# Altium PCB 电解模块主控板SC_V1.1_ZM_20211015.PcbDoc (part 3 of 3) (continued)
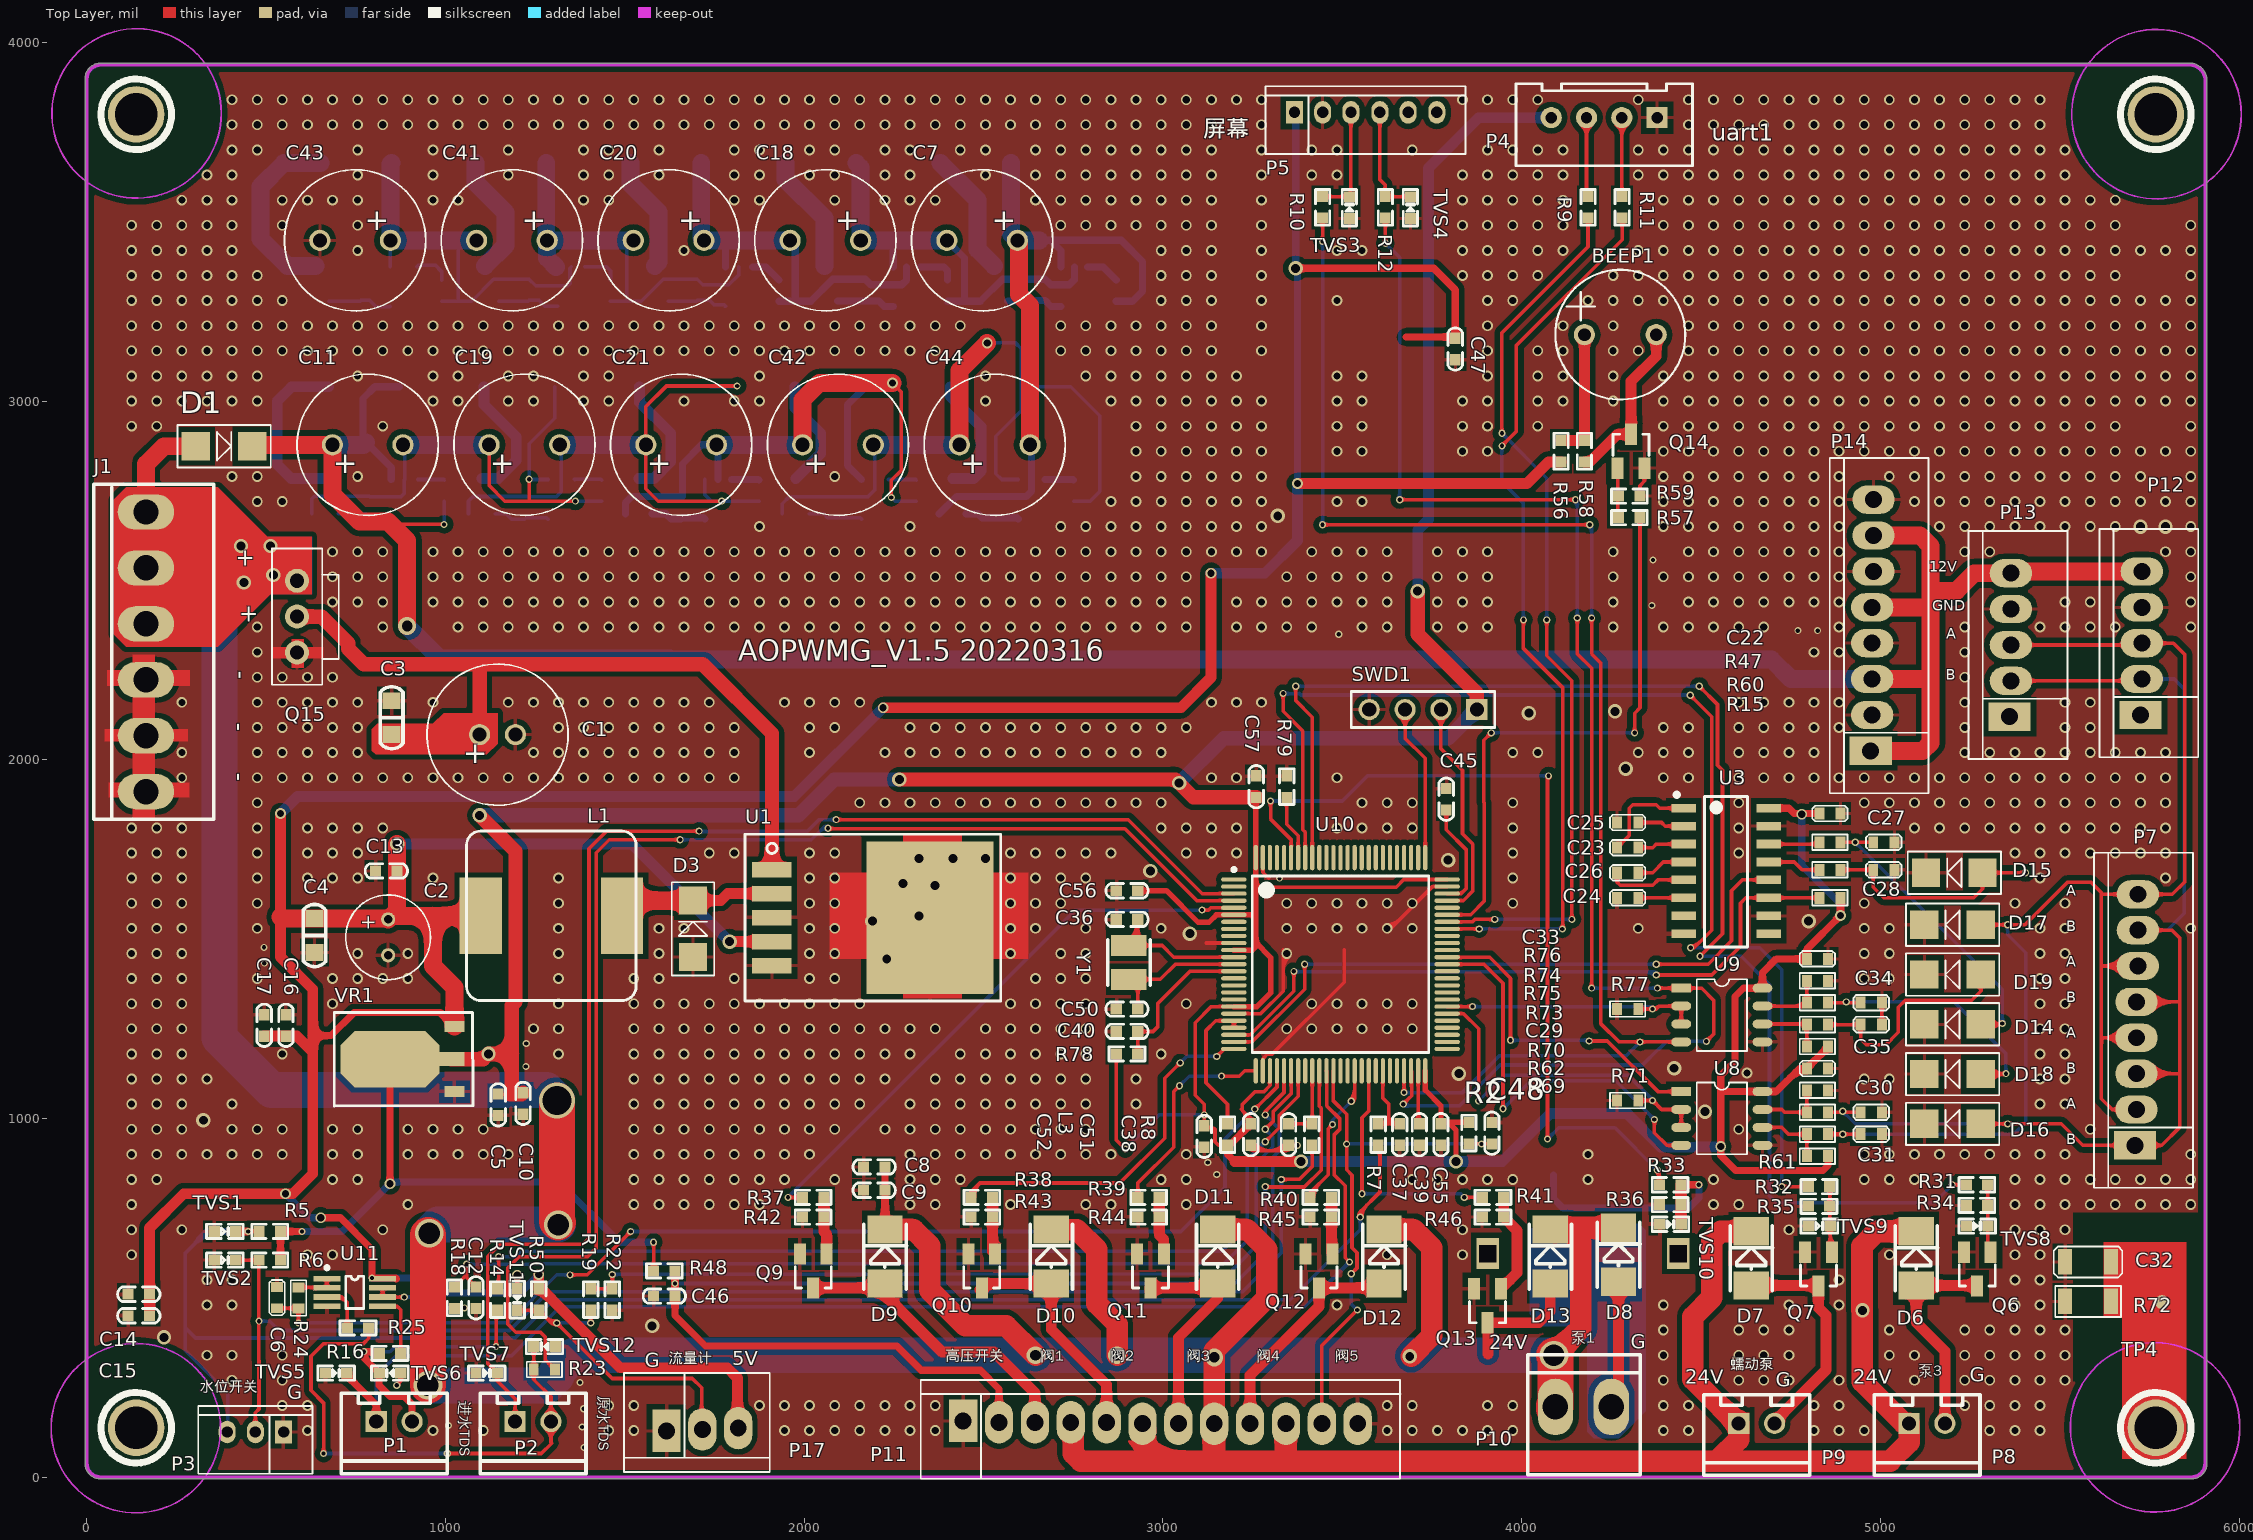
[diagram p0: Top Layer view]
## Nets (pads, with @x,y where several pads share a name; then routed paths per layer and width w, separated by ;. In a path a pad name is that pad's centre, name@x,y a point inside that pad or via, vN(x,y) a via of type N, cw(c..) or ccw(c..) an arc to the next point about the centre after c; other vN are vias at no path point) (continued)
  Bottom Layer w10: v2(3370,2205) v2(4495,2205) ; v2@3373.54,2201.46 cw(c3382.07,2192.93) 3382.07,2205 cw(c3382.07,2217.07) v2@3373.54,2208.54 ; v2@4491.46,2201.46 ccw(c4482.93,2192.93) 4482.93,2205 ccw(c4482.93,2217.07) v2@4491.46,2208.54 ; v2(4497,1452) 4612,1452 4691,1373 4691,784 4710,765 5150,765 v2(5200,815) ; v2@4500.54,1448.46 cw(c4509.07,1439.93) 4509.07,1452 cw(c4509.07,1464.07) v2@4500.54,1455.54 ; v2@5195,815 cw(c5182.93,815) 5191.46,806.46 cw(c5200,797.93) v2@5200,810
NetR32_2: R32.2 U10.93 | length 3530.9
  Top Layer w10: v2@3331.46,2181.46 cw(c3322.93,2172.93) 3335,2172.93 cw(c3347.07,2172.93) v2@3338.54,2181.46 ; v2(3335,2185) 3335,2135 3390,2080 3390,1805 3396.57,1798.43 U10.93@3396.57,1727.24 ; v2@4470,2175 cw(c4470,2162.93) 4478.54,2171.46 cw(c4487.07,2180) v2@4475,2180 ; v2(4470,2180) 4530,2120 4530,1525 4481,1476 v2(4471,1476) ; v2@4471,1481 ccw(c4471,1517.21) 4496.61,1491.61 ; v2(4725,810) R32.2@4799,810 ; v2@4728.54,806.46 cw(c4737.07,797.93) 4737.07,810 cw(c4737.07,822.07) v2@4728.54,813.54 ; R32.2@4791.18,802.93 ccw(c4774.11,785.86) 4774.11,810 ccw(c4774.11,834.14) R32.2@4791.18,817.07
  Bottom Layer w10: v2(3335,2185) 3336,2184 3378.7,2184 3379.7,2185 3384.17,2180.53 4469.47,2180.53 v2(4470,2180) ; v2@3338.54,2188.54 ccw(c3349.49,2199.49) 3349.49,2184 ; 4456.66,2180.53 cw(c4456.66,2166.66) v2@4466.46,2176.46 ; 4459.2,2180.53 ccw(c4459.2,2190.8) v2@4466.46,2183.54 ; v2(4471,1476) 4664,1476 4725,1415 v2(4725,810) ; v2@4474.54,1472.46 cw(c4483.07,1463.93) 4483.07,1476 cw(c4483.07,1488.07) v2@4474.54,1479.54 ; v2@4721.46,813.54 ccw(c4712.93,822.07) 4725,822.07 ccw(c4737.07,822.07) v2@4728.54,813.54
NetR33_2: R33.2 U10.95 | length 2614.9
  Top Layer w10: v2@3296.46,1881.46 cw(c3287.93,1872.93) 3300,1872.93 cw(c3312.07,1872.93) v2@3303.54,1881.46 ; v2(3300,1885) 3300,1835 3357.2,1777.8 U10.95@3357.2,1727.24 ; v2@4068.46,946.54 ccw(c4059.93,955.07) 4072,955.07 ccw(c4084.07,955.07) v2@4075.54,946.54 ; v2(4072,943) 4072,1952 v2(4075,1955) ; 4072,1935.69 cw(c4094.31,1935.69) v2@4078.54,1951.46 ; v2@4374.46,852.46 cw(c4351.44,829.44) R33.2@4384,829.44 ; R33.2@4376.93,822.07 ccw(c4359.86,839.14) 4384,839.14 ccw(c4408.14,839.14) R33.2@4391.07,822.07 ; v2@4377.35,851.04 cw(c4376.36,843.47) 4384,843.47 ; v2@4378,851 4384,845 R33.2@4384,815
  Bottom Layer w10: v2(3300,1885) 3500,1885 3570,1955 v2(4075,1955) ; v2@3303.54,1881.46 cw(c3312.07,1872.93) 3312.07,1885 cw(c3312.07,1897.07) v2@3303.54,1888.54 ; v2@4071.46,1951.46 ccw(c4062.93,1942.93) 4062.93,1955 ccw(c4062.93,1967.07) v2@4071.46,1958.54 ; v2(4072,943) 4103,974 4260,974 v2(4378,856) ; v2@4072,948 ccw(c4072,960.07) 4080.54,951.54 ccw(c4089.07,943) v2@4077,943 ; v2@4373,856 ccw(c4360.93,856) 4369.46,864.54 ccw(c4378,873.07) v2@4378,861 ; v2@4375,853 v2@4378,850
NetR37_2: R37.2 U10.5 | length 1693.1
  Top Layer w10: v2(1955,780) R37.2@1995,780 ; v2@1958.54,776.46 cw(c1967.07,767.93) 1967.07,780 cw(c1967.07,792.07) v2@1958.54,783.54 ; R37.2@1987.18,772.93 ccw(c1970.11,755.86) 1970.11,780 ccw(c1970.11,804.14) R37.2@1987.18,787.07 ; v2(3109,1581) 3126.74,1581 3133.22,1587.48 U10.5@3197.76,1587.48 ; v2@3112.54,1577.46 cw(c3121.07,1568.93) 3121.07,1581 cw(c3121.07,1593.07) v2@3112.54,1584.54
  Bottom Layer w10: v2(1955,780) 2756,1581 v2(3109,1581)
NetR38_2: R38.2 U10.25 | length 1163.4
  Top Layer w10: R38.2@2465,780 2465,795 2490,820 ; R38.2@2465.75,780 cw(c2496.93,782.67) 2474.8,804.8 ; R38.2@2475.71,780.85 cw(c2524.93,785.07) 2490,820 ; v2@3043,1155 cw(c3030.93,1155) 3039.46,1146.46 cw(c3048,1137.93) v2@3048,1150 ; v2(3048,1155) 3005,1112 3005,945 2880,820 2490,820 ; v2(3150,1173) 3170.78,1193.78 U10.25@3197.76,1193.78 ; v2@3150,1178 ccw(c3150,1190.07) 3158.54,1181.54 ccw(c3167.07,1173) v2@3155,1173 ; 3164.88,1187.88 ccw(c3158.98,1193.78) U10.25@3167.32,1193.78
  Bottom Layer w10: v2(3048,1155) 3066,1173 v2(3150,1173) ; v2@3048,1160 ccw(c3048,1172.07) 3056.54,1163.54 ccw(c3065.07,1155) v2@3053,1155 ; v2@3146.46,1169.46 ccw(c3137.93,1160.93) 3137.93,1173 ccw(c3137.93,1185.07) v2@3146.46,1176.54
NetR39_2: R39.2 U10.26 | length 702.9
  Top Layer w10: R39.2@2922.93,787.07 ccw(c2905.86,804.14) 2930,804.14 ccw(c2954.14,804.14) R39.2@2937.07,787.07 ; R39.2@2930,780 2930,820 3030,920 3030,1075 v2(3046,1091) ; v2@3041,1091 cw(c3028.93,1091) 3037.46,1082.46 cw(c3046,1073.93) v2@3046,1086 ; v2(3163,1118) 3213,1118 3227.76,1132.76 U10.26@3258.78,1132.76 ; v2@3166.54,1114.46 cw(c3175.07,1105.93) 3175.07,1118 cw(c3175.07,1130.07) v2@3166.54,1121.54
  Bottom Layer w10: v2(3046,1091) 3073,1118 v2(3163,1118) ; v2@3046,1096 ccw(c3046,1108.07) 3054.54,1099.54 ccw(c3063.07,1091) v2@3051,1091 ; v2@3159.46,1114.46 ccw(c3150.93,1105.93) 3150.93,1118 ccw(c3150.93,1130.07) v2@3159.46,1121.54
NetR40_2: R40.2 U10.40 | length 578.7
  Top Layer w10: R40.2@3410,780 3410,792 3461,843 3461,971.6 v2(3472.4,983) ; R40.2@3410.75,780 cw(c3441.52,780) 3419.76,801.76 ; R40.2@3420.75,780 cw(c3475.67,780) 3436.83,818.83 ; v2@3467.4,983 cw(c3455.33,983) 3463.87,974.46 cw(c3472.4,965.93) v2@3472.4,978 ; v2@3521.46,1051.54 ccw(c3490.31,1082.69) 3534.37,1082.69 ; v2(3525,1048) 3534.37,1057.37 U10.40@3534.37,1132.76 ; v2@3528.54,1044.46 ccw(c3514.45,1058.55) 3534.37,1058.55
  Bottom Layer w10: v2@3468.87,986.54 ccw(c3460.33,995.07) 3472.4,995.07 ccw(c3484.47,995.07) v2@3475.94,986.54 ; v2(3472.4,983) 3472.4,995.4 v2(3525,1048) ; v2@3520,1048 cw(c3507.93,1048) 3516.46,1039.46 cw(c3525,1030.93) v2@3525,1043
NetR41_2: R41.2 U10.42 | length 784.5
  Top Layer w10: v2@3551.46,793.54 ccw(c3542.93,802.07) 3555,802.07 ccw(c3567.07,802.07) v2@3558.54,793.54 ; v2(3555,790) 3555,1002 3573.74,1020.74 U10.42@3573.74,1132.76 ; v2(3840,780) R41.2@3890,780 ; v2@3843.54,776.46 cw(c3852.07,767.93) 3852.07,780 cw(c3852.07,792.07) v2@3843.54,783.54 ; R41.2@3882.18,772.93 ccw(c3865.11,755.86) 3865.11,780 ccw(c3865.11,804.14) R41.2@3882.18,787.07
  Bottom Layer w10: v2(3555,790) 3830,790 v2(3840,780) ; v2@3558.54,786.46 cw(c3567.07,777.93) 3567.07,790 cw(c3567.07,802.07) v2@3558.54,793.54
NetR47_1: R47.1 U3.14 | length 203.3
  Top Layer w10: U3.14@4688.61,1765 4825,1765 R47.1@4830,1770 ; U3.14@4715.56,1760.05 cw(c4727.51,1748.1) 4727.51,1765 cw(c4727.51,1781.9) U3.14@4715.56,1769.95 ; 4803.86,1765 ccw(c4803.86,1793.19) R47.1@4823.79,1773.26 ; 4813.75,1765 cw(c4813.75,1750.79) R47.1@4823.79,1760.84
NetR57_1: R57.1 U10.70 | length 1718.1
  Top Layer w10: U10.70@3792.24,1567.8 3857.8,1567.8 3896,1606 3896,1880 3894,1882 3894,2054 v2(3915,2075) ; v2@3910,2075 cw(c3897.93,2075) 3906.46,2066.46 cw(c3915,2057.93) v2@3915,2070 ; v2@4311.46,2078.54 ccw(c4302.93,2087.07) 4315,2087.07 ccw(c4327.07,2087.07) v2@4318.54,2078.54 ; v2(4315,2075) 4315,2130 4330,2145 R57.1@4330,2675 ; R57.1@4322.93,2667.93 cw(c4305.86,2650.86) 4330,2650.86 cw(c4354.14,2650.86) R57.1@4337.07,2667.93
  Bottom Layer w10: v2(3915,2075) v2(4315,2075) ; v2@3918.54,2071.46 cw(c3927.07,2062.93) 3927.07,2075 cw(c3927.07,2087.07) v2@3918.54,2078.54 ; v2@4311.46,2071.46 ccw(c4302.93,2062.93) 4302.93,2075 ccw(c4302.93,2087.07) v2@4311.46,2078.54
NetR60_1: R60.1 U3.13 | length 210.2
  Top Layer w10: U3.13@4688.61,1715 4760,1715 4781.67,1693.33 R60.1@4830,1693.33 ; U3.13@4715.56,1710.05 cw(c4727.51,1698.1) 4727.51,1715 cw(c4727.51,1731.9) U3.13@4715.56,1719.95 ; R60.1@4823.79,1687.13 ccw(c4808.8,1672.14) 4808.8,1693.33 ccw(c4808.8,1714.53) R60.1@4823.79,1699.54
NetR61_1: R61.1 R69.1 U8.6 | length 320.9
  Top Layer w10: U8.6@4671.38,975 4725,975 4743.89,956.11 R69.1@4795,956.11 R61.1@4795,895 ; U8.6@4691.68,969.7 cw(c4704.48,956.89) 4704.48,975 cw(c4704.48,993.11) U8.6@4691.68,980.3 ; R61.1@4788.79,904.16 ccw(c4773.8,919.15) 4795,919.15 ccw(c4816.2,919.15) R61.1@4801.21,904.16 ; R69.1@4788.79,946.95 cw(c4773.8,931.96) 4795,931.96 cw(c4816.2,931.96) R69.1@4801.21,946.95 ; R69.1@4788.79,949.9 ccw(c4773.8,934.92) 4773.8,956.11 ccw(c4773.8,977.31) R69.1@4788.79,962.32
NetR62_1: R62.1 R70.1 U8.7 | length 316.3
  Top Layer w10: U8.7@4671.38,1025 4725,1025 4732.78,1017.22 R62.1@4795,1017.22 R70.1@4795,1078.33 ; U8.7@4691.68,1019.7 cw(c4704.48,1006.89) 4704.48,1025 cw(c4704.48,1043.11) U8.7@4691.68,1030.3 ; R62.1@4788.79,1011.01 ccw(c4773.8,996.03) 4773.8,1017.22 ccw(c4773.8,1038.42) R62.1@4788.79,1023.43 ; R62.1@4788.79,1026.38 ccw(c4773.8,1041.37) 4795,1041.37 ccw(c4816.2,1041.37) R62.1@4801.21,1026.38 ; R70.1@4788.79,1069.17 cw(c4773.8,1054.18) 4795,1054.18 cw(c4816.2,1054.18) R70.1@4801.21,1069.17
NetR64_2: R64.2 U5.3 | length 77.8
  Bottom Layer w10: U5.3@1360.4,2781.26 1359.66,2782 1433.23,2782 R64.2@1435.5,2779.73
NetR65_2: R65.2 U6.3 | length 107.1
  Bottom Layer w20: U6.3@2322.9,3374 2389,3374 2399.75,3363.25 R65.2@2399.75,3337.47
NetR73_1: R73.1 R75.1 U9.6 | length 313.8
  Top Layer w10: U9.6@4671.38,1263.34 4793.32,1263.34 R75.1@4795,1261.67 R73.1@4795,1200.56 ; U9.6@4691.68,1258.04 cw(c4704.48,1245.24) 4704.48,1263.34 cw(c4704.48,1281.45) U9.6@4691.68,1268.65 ; 4770.73,1263.34 ccw(c4770.73,1288.89) R75.1@4788.79,1270.83 ; 4776.88,1263.34 cw(c4776.88,1246.5) R75.1@4788.79,1258.41 ; R73.1@4788.79,1209.72 ccw(c4773.8,1224.7) 4795,1224.7 ccw(c4816.2,1224.7) R73.1@4801.21,1209.72 ; R75.1@4788.79,1252.51 cw(c4773.8,1237.52) 4795,1237.52 cw(c4816.2,1237.52) R75.1@4801.21,1252.51
NetR74_1: R74.1 R76.1 U9.7 | length 332.8
  Top Layer w10: U9.7@4671.38,1313.34 4785.57,1313.34 R74.1@4795,1322.78 R76.1@4795,1383.89 ; U9.7@4691.68,1308.04 cw(c4704.48,1295.24) 4704.48,1313.34 cw(c4704.48,1331.45) U9.7@4691.68,1318.65 ; 4758.16,1313.34 ccw(c4758.16,1356.67) R74.1@4788.79,1326.03 ; R74.1@4782.3,1313.34 ccw(c4782.3,1332.52) R74.1@4795.86,1318.96 ; R74.1@4788.79,1331.94 ccw(c4773.8,1346.93) 4795,1346.93 ccw(c4816.2,1346.93) R74.1@4801.21,1331.94 ; R76.1@4788.79,1374.73 cw(c4773.8,1359.74) 4795,1359.74 cw(c4816.2,1359.74) R76.1@4801.21,1374.73
NetR79_2: R79.2 U10.94 | length 218.9
  Top Layer w10: R79.2@3337.93,1887.18 cw(c3320.86,1870.11) 3345,1870.11 cw(c3369.14,1870.11) R79.2@3352.07,1887.18 ; R79.2@3345,1895 3345,1820 3376.89,1788.11 U10.94@3376.89,1727.24
NetR87_2: R87.2 U7.3 | length 77.2
  Bottom Layer w20: U7.3@1797.4,2781.26 1872.47,2781.26 R87.2@1874,2779.73
NetR88_2: R88.2 U12.3 | length 89.2
  Bottom Layer w20: U12.3@1855.4,3374 1892.97,3374 R88.2@1929.5,3337.47
NetR99_2: R99.2 U13.3 | length 78.7
  Bottom Layer w10: U13.3@2234.4,2781.26 2310.97,2781.26 R99.2@2312.5,2779.73
NetR100_2: R100.2 U14.3 | length 102.5
  Bottom Layer w10: U14.3@1387.9,3374 1449,3374 1460,3363 1460,3338.22 R100.2@1459.25,3337.47
NetR111_2: R111.2 U15.3 | length 80.2
  Bottom Layer w20: U15.3@2671.4,2781.26 2749.47,2781.26 R111.2@2751,2779.73
NetR112_2: R112.2 U16.3 | length 101.7
  Bottom Layer w10: U16.3@920.4,3374 925.4,3379 971,3379 989,3361 R112.2@989,3337.47
NetU10_1: U10.1
NetU10_2: U10.2
NetU10_38: U10.38
NetU10_39: U10.39
NetU10_41: U10.41
NetU10_43: U10.43
NetU10_45: U10.45
NetU10_46: U10.46
NetU10_51: U10.51
NetU10_52: U10.52
NetU10_53: U10.53
NetU10_54: U10.54
NetU10_58: U10.58
NetU10_59: U10.59
NetU10_61: U10.61
NetU10_62: U10.62
NetU10_65: U10.65
NetU10_66: U10.66
NetU10_71: U10.71
NetU10_78: U10.78
NetU10_79: U10.79
NetU10_80: U10.80
NetU10_81: U10.81
NetU10_82: U10.82
NetU10_83: U10.83
NetU10_85: U10.85
NetU10_86: U10.86
NetU10_87: U10.87
NetU10_88: U10.88
NetU10_89: U10.89
NetU10_90: U10.90
NetU10_91: U10.91
RXD1_485: U8.1 U10.64 | length 1010.3
  Top Layer w10: U10.64@3792.24,1449.68 3792.93,1449 3911,1449 3970,1390 3969,1389 v2(3969,1218) ; v2@3965.46,1221.54 ccw(c3956.93,1230.07) 3969,1230.07 ccw(c3981.07,1230.07) v2@3972.54,1221.54 ; v2(4188,1216) 4239,1216 4380,1075 U8.1@4445,1075 ; v2@4191.54,1212.46 cw(c4200.07,1203.93) 4200.07,1216 cw(c4200.07,1228.07) v2@4191.54,1219.54 ; U8.1@4424.7,1069.7 ccw(c4411.89,1056.89) 4411.89,1075 ccw(c4411.89,1093.11) U8.1@4424.7,1080.3
  Bottom Layer w10: v2(3969,1218) 4186,1218 v2(4188,1216) ; v2@3972.54,1214.46 cw(c3981.07,1205.93) 3981.07,1218 cw(c3981.07,1230.07) v2@3972.54,1221.54 ; 4171.1,1218 cw(c4171.1,1199.1) v2@4184.46,1212.46
RXD2_485: R12.2 U9.1 U10.48 | length 4578.9
  Top Layer w10: R12.2@3612.93,3502.18 cw(c3595.86,3485.11) 3620,3485.11 cw(c3644.14,3485.11) R12.2@3627.07,3502.18 ; v2@3616.46,3443.54 ccw(c3607.93,3452.07) 3620,3452.07 ccw(c3632.07,3452.07) v2@3623.54,3443.54 ; v2(3620,3440) R12.2@3620,3510 ; v2(3660,2725) v2(4150,2725) ; v2@3663.54,2721.46 cw(c3672.07,2712.93) 3672.07,2725 cw(c3672.07,2737.07) v2@3663.54,2728.54 ; v2(3670,1040) 3687.5,1057.5 3687.5,1057.8 3693.17,1063.47 3693.17,1131.44 U10.48@3691.85,1132.76 ; v2@3670,1045 ccw(c3670,1057.07) 3678.54,1048.54 ccw(c3687.07,1040) v2@3675,1040 ; v2@4146.46,2721.46 ccw(c4137.93,2712.93) 4137.93,2725 ccw(c4137.93,2737.07) v2@4146.46,2728.54 ; v2@4151.46,2391.46 cw(c4142.93,2382.93) 4155,2382.93 cw(c4167.07,2382.93) v2@4158.54,2391.46 ; v2(4155,2395) 4155,2295 4195,2255 v2(4195,1363.34) ; v2@4191.46,1366.88 ccw(c4182.93,1375.42) 4195,1375.42 ccw(c4207.07,1375.42) v2@4198.54,1366.88 ; v2(4378.34,1363.34) U9.1@4445,1363.34 4501.66,1363.34 4535,1330 4535,1235 v2(4515,1215) ; v2@4381.88,1359.81 cw(c4390.42,1351.27) 4390.42,1363.34 cw(c4390.42,1375.42) v2@4381.88,1366.88 ; U9.1@4424.7,1358.04 ccw(c4411.89,1345.24) 4411.89,1363.34 ccw(c4411.89,1381.45) U9.1@4424.7,1368.65 ; U9.1@4465.3,1358.04 cw(c4478.11,1345.24) 4478.11,1363.34 cw(c4478.11,1381.45) U9.1@4465.3,1368.65 ; v2@4515,1220 ccw(c4515,1232.07) 4523.54,1223.54 ccw(c4532.07,1215) v2@4520,1215
  Bottom Layer w10: v2@3620,3435 cw(c3620,3422.93) 3628.54,3431.46 cw(c3637.07,3440) v2@3625,3440 ; v2(3620,3440) 3660,3400 v2(3660,2725) ; v2@3656.46,2728.54 ccw(c3647.93,2737.07) 3660,2737.07 ccw(c3672.07,2737.07) v2@3663.54,2728.54 ; v2(3670,1040) 3675,1035 3826,1035 3940,1149 4337,1149 4382,1194 ; v2@3673.54,1043.54 ccw(c3694.14,1064.14) 3694.14,1035 ; v2@4146.46,2721.46 cw(c4125.86,2700.86) 4155,2700.86 ; v2(4150,2725) 4155,2720 v2(4155,2395) ; v2@4151.46,2398.54 ccw(c4142.93,2407.07) 4155,2407.07 ccw(c4167.07,2407.07) v2@4158.54,2398.54 ; v2(4195,1363.34) v2(4378.34,1363.34) ; v2@4198.54,1359.81 cw(c4207.07,1351.27) 4207.07,1363.34 cw(c4207.07,1375.42) v2@4198.54,1366.88 ; v2@4374.81,1359.81 ccw(c4366.27,1351.27) 4366.27,1363.34 ccw(c4366.27,1375.42) v2@4374.81,1366.88 ; 4383,1193 4405,1215 v2(4515,1215) ; v2@4511.46,1211.46 ccw(c4502.93,1202.93) 4502.93,1215 ccw(c4502.93,1227.07) v2@4511.46,1218.54
RXD_233: U3.12 U10.24 | length 1908.3
  Top Layer w10: U10.24@3197.76,1213.46 3248.46,1213.46 3395,1360 v2(3395,1430) ; v2@3391.46,1426.46 cw(c3382.93,1417.93) 3395,1417.93 cw(c3407.07,1417.93) v2@3398.54,1426.46 ; v2(4375,1430) 4520,1430 4585,1495 4585,1635 4615,1665 U3.12@4688.61,1665 ; v2@4378.54,1426.46 cw(c4387.07,1417.93) 4387.07,1430 cw(c4387.07,1442.07) v2@4378.54,1433.54 ; U3.12@4661.66,1660.05 ccw(c4649.71,1648.1) 4649.71,1665 ccw(c4649.71,1681.9) U3.12@4661.66,1669.95
  Bottom Layer w10: v2(3395,1430) v2(4375,1430) v2@4380,1430 ; v2@3398.54,1426.46 cw(c3407.07,1417.93) 3407.07,1430 cw(c3407.07,1442.07) v2@3398.54,1433.54 ; v2@4371.46,1426.46 ccw(c4362.93,1417.93) 4362.93,1430 ccw(c4362.93,1442.07) v2@4371.46,1433.54
SWCLK: SWD1.3 U10.76 | length 436
  Top Layer w10: SWD1.3@3675,2140 3675,2060 3731.22,2003.78 U10.76@3731.22,1727.24
SWDIO: SWD1.2 U10.72 | length 625.7
  Top Layer w10: SWD1.2@3775,2140 3775,2030.3 3835,1970.3 3835,1794 3864,1765 3864,1634 3837.17,1607.17 U10.72@3792.24,1607.17
TXD1_485: U8.4 U10.63 | length 1261.4
  Top Layer w10: U10.63@3792.24,1430 3895,1430 3948,1377 v2(3948,1027) ; v2@3944.46,1030.54 ccw(c3935.93,1039.07) 3948,1039.07 ccw(c3960.07,1039.07) v2@3951.54,1030.54 ; v2@4366.46,993.46 cw(c4357.93,984.93) 4370,984.93 cw(c4382.07,984.93) v2@4373.54,993.46 ; v2@4370,998 v2(4370,997) 4370,960 4405,925 U8.4@4445,925 ; U8.4@4424.7,919.7 ccw(c4411.89,906.89) 4411.89,925 ccw(c4411.89,943.11) U8.4@4424.7,930.3
  Bottom Layer w10: v2(3948,1027) 4026,1105 4262,1105 v2(4370,997) v2@4372,995 ; v2@3948,1032 ccw(c3948,1044.07) 3956.54,1035.54 ccw(c3965.07,1027) v2@3953,1027 ; v2@4365,997 ccw(c4352.93,997) 4361.46,1005.54 ccw(c4370,1014.07) v2@4370,1002
TXD2_485: R10.2 U9.4 U10.47 | length 4324.8
  Top Layer w10: R10.2@3437.93,3502.18 cw(c3420.86,3485.11) 3445,3485.11 cw(c3469.14,3485.11) R10.2@3452.07,3502.18 ; v2@3441.46,3448.54 ccw(c3432.93,3457.07) 3445,3457.07 ccw(c3457.07,3457.07) v2@3448.54,3448.54 ; v2(3445,2655) v2(4190,2655) ; v2(3445,3445) R10.2@3445,3510 ; v2@3448.54,2651.46 cw(c3457.07,2642.93) 3457.07,2655 cw(c3457.07,2667.07) v2@3448.54,2658.54 ; v2@3668.63,1075.7 ccw(c3660.09,1084.24) 3672.17,1084.24 ccw(c3684.24,1084.24) v2@3675.7,1075.7 ; v2(3672.17,1072.17) U10.47@3672.17,1132.76 ; v2@4186.46,2651.46 ccw(c4177.93,2642.93) 4177.93,2655 ccw(c4177.93,2667.07) v2@4186.46,2658.54 ; v2@4191.46,2391.46 cw(c4182.93,2382.93) 4195,2382.93 cw(c4207.07,2382.93) v2@4198.54,2391.46 ; v2(4195,2395) 4195,2295 4220,2270 4220,1265 4271.66,1213.34 v2(4330,1213.34) U9.4@4445,1213.34 ; v2@4326.46,1209.81 ccw(c4317.93,1201.27) 4317.93,1213.34 ccw(c4317.93,1225.42) v2@4326.46,1216.88 ; v2@4333.54,1209.81 cw(c4342.07,1201.27) 4342.07,1213.34 cw(c4342.07,1225.42) v2@4333.54,1216.88 ; U9.4@4424.7,1208.04 ccw(c4411.89,1195.24) 4411.89,1213.34 ccw(c4411.89,1231.45) U9.4@4424.7,1218.65
  Bottom Layer w10: v2@3441.46,2658.54 ccw(c3432.93,2667.07) 3445,2667.07 ccw(c3457.07,2667.07) v2@3448.54,2658.54 ; v2@3441.46,3441.46 cw(c3432.93,3432.93) 3445,3432.93 cw(c3457.07,3432.93) v2@3448.54,3441.46 ; v2(3445,2655) v2(3445,3445) ; v2(3672.17,1072.17) 3835.17,1072.17 3938,1175 4002,1175 4292,1175 v2@4331,1214 ; v2@3675.7,1068.63 cw(c3684.24,1060.09) 3684.24,1072.17 cw(c3684.24,1084.24) v2@3675.7,1075.7 ; v2@4186.46,2651.46 cw(c4165.86,2630.86) 4195,2630.86 ; v2(4190,2655) 4195,2650 v2(4195,2395) ; v2@4191.46,2398.54 ccw(c4182.93,2407.07) 4195,2407.07 ccw(c4207.07,2407.07) v2@4198.54,2398.54
TXD_232: R15.2 U3.11 U10.23 | length 2085.9
  Top Layer w10: U10.23@3197.76,1233.15 3243.15,1233.15 3365,1355 v2(3365,1410) ; v2@3361.46,1406.46 cw(c3352.93,1397.93) 3365,1397.93 cw(c3377.07,1397.93) v2@3368.54,1406.46 ; v2(4375,1400) 4530,1400 4610,1480 4610,1600 4625,1615 U3.11@4688.61,1615 R15.2@4830,1615 ; v2@4378.54,1396.46 cw(c4387.07,1387.93) 4387.07,1400 cw(c4387.07,1412.07) v2@4378.54,1403.54 ; U3.11@4661.66,1610.05 ccw(c4649.71,1598.1) 4649.71,1615 ccw(c4649.71,1631.9) U3.11@4661.66,1619.95 ; U3.11@4715.56,1610.05 cw(c4727.51,1598.1) 4727.51,1615 cw(c4727.51,1631.9) U3.11@4715.56,1619.95 ; R15.2@4823.79,1608.79 ccw(c4808.8,1593.8) 4808.8,1615 ccw(c4808.8,1636.2) R15.2@4823.79,1621.21
  Bottom Layer w10: v2(3365,1410) 3366,1409 4366,1409 v2(4375,1400) ; v2@3368.54,1413.54 ccw(c3379.49,1424.49) 3379.49,1409 ; 4341.2,1409 cw(c4341.2,1366.2) v2@4371.46,1396.46 ; 4365.34,1409 cw(c4365.34,1390.34) v2@4378.54,1403.54
V5.0: C2.1 C4.2 C13.2 C14.2 C15.2 C16.2 C17.2 C47.2 L1.2 P5.1 P17.3 R50.1 R56.2 U1.4 U11.8 VR1.3 | length 12673.2
  Top Layer w20: 630,1231 681,1231 745,1295 986.1,1295 VR1.3@1025,1256.1 ; v1(652,723) 707,723 795,635 v2(795,555) 861.14,555 862.76,553.39 ; 995.02,1286.08 cw(c965.05,1256.1) VR1.3@1007.44,1256.1 ; v3(3370,3370) 3755,3370 3815,3310 C47.2@3815,3175 3811.61,3178.39 3677.76,3178.39 ; v3@3377.07,3362.93 cw(c3394.14,3345.86) 3394.14,3370 cw(c3394.14,3394.14) v3@3377.07,3377.07 ; 3796.56,3178.39 cw(c3796.56,3157.31) C47.2@3811.46,3172.21
  Top Layer w30: C15.2@175,450 C14.2@175,510 175,695 270,790 v1(554,790) 574,790 630,846 630,1185 ; C17.2@494.47,1230 585,1230 630,1185 ; v1(540,1850) 540,1562 540,1450 630,1360 630,1231 630,1185 ; v1(1260,565) R50.1@1260,525 1266.16,525 1486.16,305 1785.17,305 1814,276.17 P17.3@1814,157.13 ; v3(1791.93,1493.07) U1.4@1910,1493.07 ; v1(2220,2145) 3050,2145 3134,2229 v1(3134,2520) ; v1(3375,2770) 4015,2770 4075,2830 R56.2@4110,2830
  Top Layer w50: 540,1562 544.76,1557.24 C4.2@635,1557.24 837.76,1557.24 C2.1@840,1555 C2.1@850,1565 ; v3(865,1765) C13.2@865,1690 865,1580 C2.1@850,1565 ; VR1.3@1025,1256.1 1025,1365 965,1425 965,1565 ; L1.2@1074.07,1540.92 ccw(c1015.93,1482.78) 1015.93,1565 ccw(c1015.93,1647.22) L1.2@1074.07,1589.08 ; L1.2@1098.15,1565 965,1565 ; C2.1@850,1565 965,1565
  Bottom Layer w20: v1(554,790) 621,723 v1(652,723) ; v2(795,555) 941,555 983,513 1208,513 v1(1260,565) ; P5.1@3366.56,3804.75 3370,3801.31 v3(3370,3370) ; v1(3375,2770) v3@3375,3375
  Bottom Layer w30: v1(540,1850) 587.5,1897.5 1972.5,1897.5 v1(2220,2145) ; v3(865,1765) 1520,1765 v3(1791.93,1493.07) ; v1(3134,2520) 3284,2520 3375,2611 v1(3375,2770)
VDD12V: C8.2 C9.2 D1.1 D6.2 D7.2 D8.2 D9.2 D10.2 D11.2 D12.2 D13.2 J1.4 J1.5 J1.6 P8.1 P9.1 P10.1 P11.4 P11.6 P11.8 P11.10 Q15.3 | length 14468.2
  Top Layer w20: D9.2@2225,690.39 C9.2@2225,800 C8.2@2225,865
  Top Layer w50: J1.6@165,2690.67 165,2824 215,2874 D1.1@304,2874
  Top Layer w60: v4(1314,704) v4@1314,710 ; D9.2@2225,690.39 2304.61,690.39 2350,645 2350,521 2448.5,422.5 2562.5,422.5 v5(2645,340) ; D10.2@2688.75,690.39 2759.61,690.39 2815,635 2815,484 2872,427 v5(2872,340) ; P11.4@2736.37,126.75 cw(c2703.48,93.86) 2750,93.86 ; P11.4@2743,153.06 2750,146.06 2750,66 2771,45 2991,45 ; P11.6@2943,149.13 2943,93 2991,45 ; P11.6@2952.24,127.86 ccw(c3024.94,115.38) 2972.78,63.22 ; v5@3143,353 P11.8@3143,149.13 3143,48 3146,45 ; v5(3143.03,334.03) 3143.03,353.03 3290,500 3290,635 3234.61,690.39 D11.2@3152.5,690.39 ; D12.2@3616.25,690.39 3699.61,690.39 3750,640 3750,395 v3@3692,337 ; v4(4090,340) 4165.21,415.21 4165.21,654.79 4129.61,690.39 D13.2@4080,690.39 4085,695.39 D8.2@4270,695.39 ; D13.2@4093.41,681.73 cw(c4113.04,634.06) 4149.49,670.51 ; 4551,51 4605,105 P9.1@4605,150 4601,150 4477.5,273.5 4477.5,447.5 4530,500 4530,660 4555.39,685.39 ; v3@4948.75,465 4948.75,643.75 4990.39,685.39 D6.2@5100,685.39 ; v3(4950,465) 4950,265.8 5065.8,150 P8.1@5080,150 5080,98 5027,45 3146,45 ; 2991,45 3116,45 3146,45
  Top Layer w100: v4(951,256) v4@951,676 ; v6(1311,1050) 1311,713 v4@1314,710 ; P10.1@4090,190 4090,200.09 P10.1@4094.09,196 4094.09,335.91 v4(4090,340)
  Bottom Layer w100: 370,2415 370,1224 515,1079 1282,1079 v6(1311,1050) ; v4(951,256) 1282.77,256 1309,282.23 1309,291.34 1357.66,340 v5(2645,340) v5(2872,340) v4(4090,340) ; v4(955,680) 979,704 v4(1314,704)
  other v3: 3688,337 438,2494 520,2515 430,2596 512,2596
VDD12V1: C1.1 C3.2 Q15.2 U1.1 | length 2046.7
  Top Layer w40: Q15.2@586,2399 655,2399 729,2325 729,2309.23 772.23,2266 1087,2266 ; C1.1@1095,2070 1095,2258 1087,2266 ; U1.1@1910,1693.86 1910,2073 1717,2266 1087,2266
VDD12V2: C11.1 D1.2 P12.5 P13.5 P14.1 P14.3 P14.5 P14.7 R13.1 R26.1 U2.1 | length 7530.7
  Top Layer w10: 848,2656 v2(996,2656)
  Top Layer w50: D1.2@461.48,2874 465.48,2878 C11.1@684.57,2878 684.57,2739.43 760,2664 840,2664 848,2656 893,2611 v5(893,2373) ; P14.1@4973.06,2025 5118,2025 5140,2047 5140,2232 ; P14.3@4977,2225 5133,2225 5140,2232 ; P14.5@4977,2425 5131,2425 5140,2416 ; P14.7@4980.94,2625 5111,2625 5140,2596 5140,2471 ; P12.5@5728.94,2525 5368.94,2525 P13.5@5363.94,2520 5261,2520 5212,2471 5140,2471 ; 5140,2232 5140,2416 ; 5140,2416 5140,2471
  Bottom Layer w10: v2(996,2656) 997,2657 R26.1@997,2720.67
  Bottom Layer w20: U2.1@848.6,2781.26 848.6,2814.4 778,2885 770,2893 770,3007 803,3040 R13.1@871,3040
  Bottom Layer w50: C11.1@684.57,2878 771,2878 778,2885 ; v5(893,2373) 984,2282 1626,2282 1629,2279 4697,2279 4751,2225 P14.3@4977,2225
pads on no net: P5.5 P5.6 P12.1 P13.1 Q8.4 Q8.5 U2.4 U3.7 U3.9 U4.4 U5.4 U6.4 U7.4 U10.7 U10.8 U10.9 U10.15 U10.16 U10.17 U10.18 U10.55 U10.60 U10.67 U10.77 U10.84 U10.96 U10.97 U10.98 U12.4 U13.4 U14.4 U15.4 U16.4

## Polygon pours and split planes (outlines as drawn)
GND on Top Layer "Top Layer-No Net" (solid, remove dead copper, pour order 10): -858,4295 -562.29,3999.29 6067,3999.29 6067,-30 -398,-30 -398,3999.29
GND on Bottom Layer "Top Layer-No Net" (solid, remove dead copper, pour order 12): -155,4140 6075,4140 6110,4175 6185,4100 6185,-95 4755,-95 4620,-230 4470,-80 -195,-80 -195,4175 -185,4185

## Keep-outs
Keep-Out Layer:
  circle w5: c136.8,136.8 r236.22
  circle w5: c138.8,3801.8 r236.22
  circle w5: c5769.8,3799.8 r236.22
  circle w5: c5765.8,138.8 r236.22
  lines w10: 29.37,3937.01 5856.14,3937.01 ; 39.37,3937.01 ccw(c39.37,3897.64) 0,3897.64 0,39.37 ccw(c39.37,39.37) 39.37,0 5866.14,0 ccw(c5866.14,39.37) 5905.51,39.37 5905.51,3897.64 ccw(c5860.57,3892.07) 5855,3937.01
Mechanical 1:
  lines w10: 30,3937.01 5856.77,3937.01 ; 40,3937.01 ccw(c40,3897.64) 0.63,3897.64 0.63,39.37 ccw(c40,39.37) 40,0 5866.77,0 ccw(c5866.77,39.37) 5906.14,39.37 5906.14,3897.64 ccw(c5861.2,3892.07) 5855.63,3937.01

## Other copper
Top Layer:
  rectangle net NetC32_2: 5673,51 5854,655
  rectangle net NetC32_2: 5622,444 5834,655
  rectangle net GND: 2070,1445 2625,1685
  rectangle net GND: 2275,1335 2440,1790
  rectangle net GND: 519,2282 659.16,2314
  rectangle net GND: 570,2256 605,2336
  rectangle net GND: 56,2206 288,2250
  rectangle net GND: 127,1834 190,2293
  rectangle net GND: 50,2051 282,2086
  rectangle net GND: 60,1895 286,1937
  region net VDD12V1: 965,2100 995,2130 1145,2130 1145,2045 1115,2015 805,2015 795,2025 795,2085 810,2100
  region net VDD12V: 110,2760 365,2760 503,2622 627,2622 627,2461 511,2461 365,2315 110,2315 75,2350 75,2725
  pour cut-out: 5905.51,738 5536,738 5536,266 5905.51,266
Bottom Layer:
  rectangle net GND: 525,2286 645,2314
  region net NetD8_1: 4091,706 4092,707 4328,707 4346,689 4346,184 4270,108 4201,108 4183,126 4183,374 4136,421 4056,421 4023,454 4023,689 4040,706
  region net VDD12V: 110,2760 365,2760 503,2622 629,2622 629,2462 512,2462 365,2315 110,2315 75,2350 75,2725
  pour cut-out: 5888.56,741 5519.05,741 5519.05,266 5888.56,266

## Silkscreen, mask and mechanical layers (free items; w line width, h text height)
Top Overlay:
  circle w19.68: c137.8,137.8 r98.43
  circle w19.68: c137.8,3799.21 r98.43
  circle w19.68: c5767.72,3799.21 r98.43
  circle w19.68: c5767.72,137.8 r98.43
  text "屏幕" at 3113,3722 h80
  text "uart1" at 4530,3710 h80
  text "+" at 415,2525 h80
  text "12V" at 5136,2514 h50
  text "GND" at 5145,2406 h50
  text "+" at 425,2370 h80
  text "A" at 5183,2327 h50
  text "AOPWMG_V1.5 20220316" at 1816,2256 h100
  text "-" at 460,2225 h80 r90
  text "B" at 5182,2213 h50
  text "-" at 455,2080 h80 r90
  text "-" at 455,1940 h80 r90
  text "A" at 5518,1611 h50
  text "B" at 5518,1512 h50
  text "A" at 5518,1413 h50
  text "B" at 5518,1314 h50
  text "A" at 5518,1215 h50
  text "B" at 5518,1116 h50
  text "A" at 5518,1017 h50
  text "B" at 5518,918 h50
  text "泵1" at 4139,365 h50
  text "G" at 4304,358 h40
  text "24V" at 3910,356 h40
  text "高压开关" at 2395,314.66 h50
  text "阀1" at 2659,315 h50
  text "阀2" at 2855,315 h50
  text "阀3" at 3066,315 h50
  text "阀4" at 3261,315 h50
  text "阀5" at 3481,315 h50
  text "5V" at 1799,312 h40
  text "流量计" at 1623,308 h50
  text "G" at 1556,306 h40
  text "蠕动泵" at 4582,291 h50
  text "泵3" at 5107,273 h50
  text "G" at 5249,266 h40
  text "24V" at 4925,261 h40
  text "24V" at 4456,260 h40
  text "G" at 4708,252 h40
  text "水位开关" at 315,229 h50
  text "原水TDS" at 1417,227 h50 r270
  text "G" at 559,217 h40
  text "进水TDS" at 1030,211 h50 r270
Top Solder:
  lines w100: 1314,710 1315,1054
Bottom Solder:
  lines w100: 369,2461 369,1224 514,1079 1281,1079 ; 951,256 1282.77,256 ; 979,704 1314,704 ; 1307.34,291.34 1356,340 2643.34,340 ; 2645,340 2872,340 4090,340

## Text inside footprints (layer, text, board x,y; h text height)
C1: Top Overlay "+" at 1118,2042 h60 r180
C2: Top Overlay "+" at 802.29,1523.38 h40 r90
C7: Top Overlay "+" at 2523,3476 h60
C11: Top Overlay "+" at 756,2850 h60 r180
C18: Top Overlay "+" at 2086,3476 h60
C19: Top Overlay "+" at 1193,2850 h60 r180
C20: Top Overlay "+" at 1649,3476 h60
C21: Top Overlay "+" at 1630,2850 h60 r180
C41: Top Overlay "+" at 1212,3476 h60
C42: Top Overlay "+" at 2067,2850 h60 r180
C43: Top Overlay "+" at 775,3476 h60
C44: Top Overlay "+" at 2504,2850 h60 r180